# Altium PCB controller_V1.1.PcbDoc (part 5 of 6) (continued)
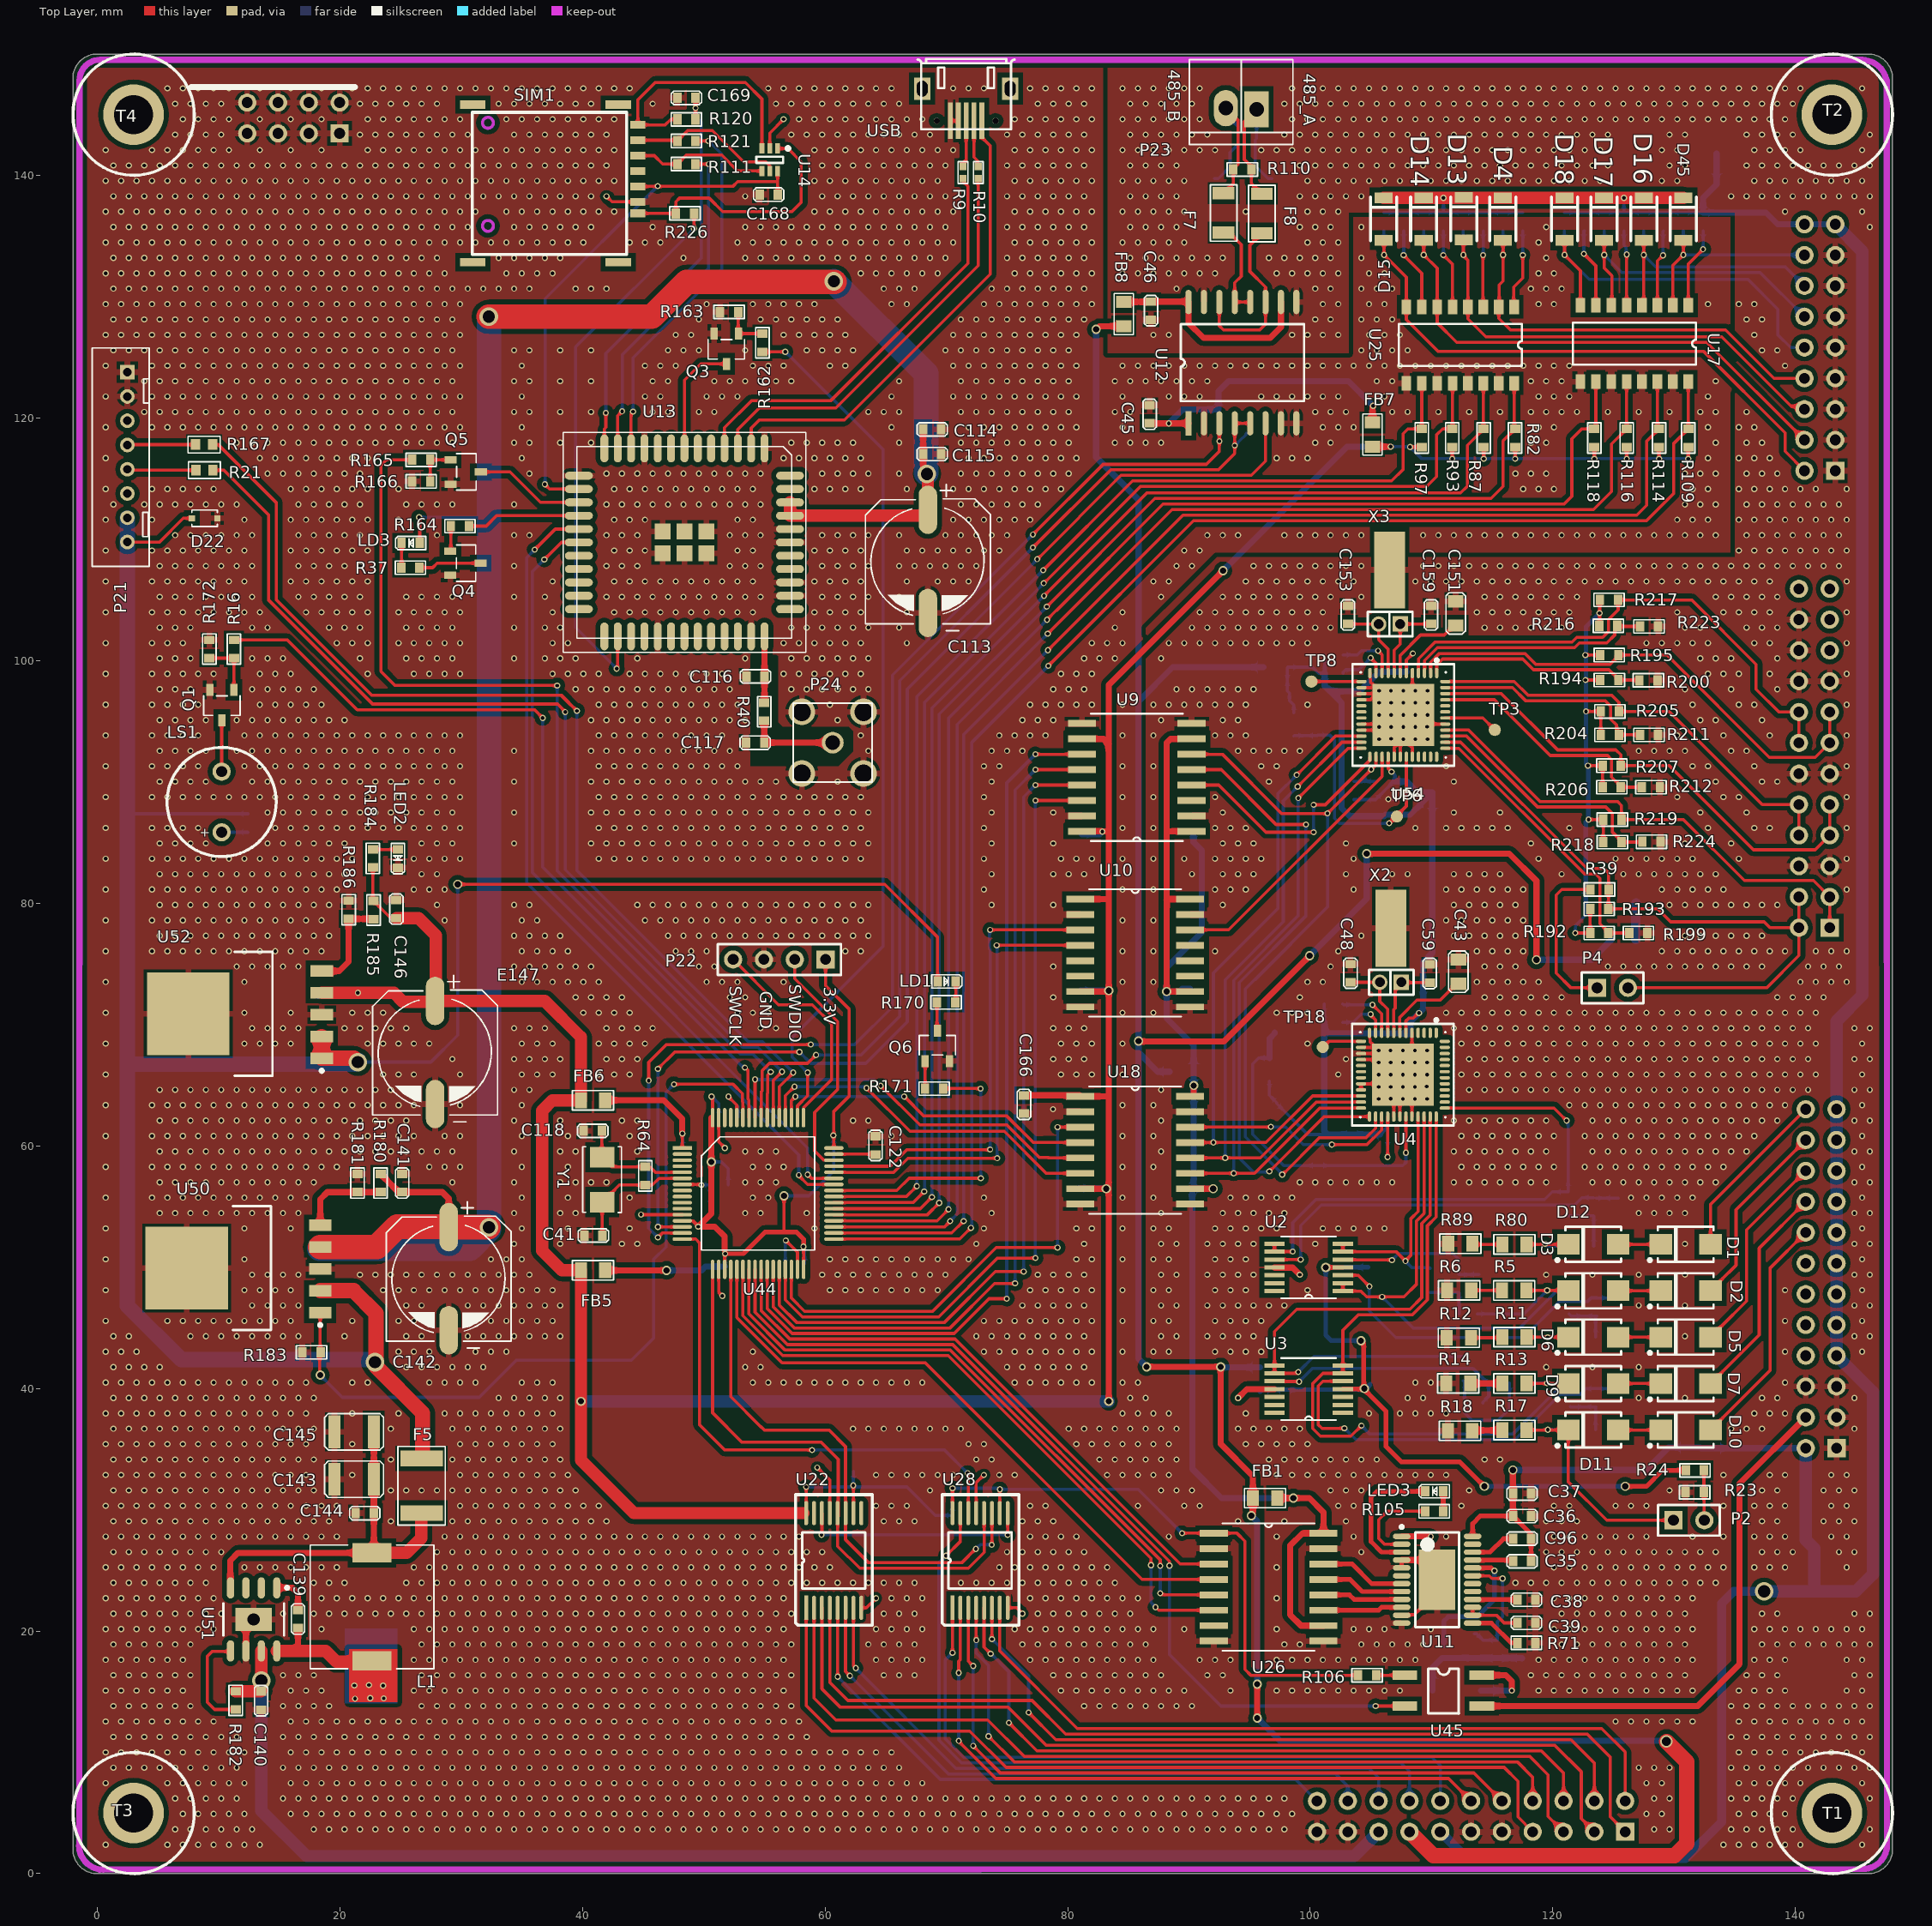
[diagram p0: Top Layer view]
## Nets (pads, with @x,y where several pads share a name; then routed paths per layer and width w, separated by ;. In a path a pad name is that pad's centre, name@x,y a point inside that pad or via, vN(x,y) a via of type N, cw(c..) or ccw(c..) an arc to the next point about the centre after c; other vN are vias at no path point) (continued)
  Top Layer w0.254: U44.51@57.232,62.317 57.232,63.734 v1(57.556,64.059) ; v1@66.534,64.072 68.148,62.459 74.346,62.459 74.981,62.459 77.165,60.274 77.953,60.274 U18.4@81.049,60.274
  Bottom Layer w0.254: v1(57.556,64.059) v1(66.521,64.059)
MIBSPI1MCS1: U18.3 U44.30 | length 38.7
  Top Layer w0.254: U44.30@57.232,49.817 57.232,47.453 58.325,46.36 68.864,46.36 74.117,51.613 v1(79.172,51.613) ; v1(79.172,61.544) U18.3@81.049,61.544
  Bottom Layer w0.254: v1(79.172,51.613) v1(79.172,61.544)
MIBSPI1MCS2: U10.3 U44.45 | length 39.1
  Top Layer w0.254: U44.45@60.732,58.317 65.378,58.317 66.726,59.665 v1@73.609,59.665 ; v1(73.609,77.8) U10.3@81.049,77.8
  Bottom Layer w0.254: v1@73.609,59.665 73.609,76.187 73.558,76.237 73.558,77.749 v1(73.609,77.8)
  other v1: 73.609,59.69
MIBSPI1MCS3: U10.4 U44.44 | length 38.4
  Top Layer w0.254: U44.44@60.732,57.817 65.666,57.817 66.827,58.979 v1(74.193,58.979) ; v1(74.143,76.53) U10.4@81.049,76.53
  Bottom Layer w0.254: v1(74.143,76.53) 74.193,76.479 v1(74.193,58.979)
MIBSPI1SIMO: U18.5 U44.57 | length 32.6
  Top Layer w0.254: U44.57@54.232,62.317 v1(54.232,65.481) ; v1(64.592,64.948) 67.818,61.722 74.436,61.722 74.981,61.722 77.673,59.03 78.41,59.03 ; 78.41,59.004 78.588,59.004 U18.5@81.049,59.004
  Bottom Layer w0.254: v1@54.232,65.456 64.084,65.456 v1(64.592,64.948)
MIBSPI1SOMI: U18.6 U44.52 | length 29.4
  Top Layer w0.254: U44.52@56.732,62.317 56.732,64.123 v1(57.48,64.872) ; v1(63.424,64.77) 67.005,61.189 74.778,61.189 78.232,57.734 78.918,57.734 U18.6@81.049,57.734
  Bottom Layer w0.254: v1(57.48,64.872) 63.322,64.872 v1(63.424,64.77)
MISO_AO_MCU: U26.6 U44.22 | length 54.8
  Top Layer w0.254: U44.22@53.232,49.817 53.232,45.992 56.522,42.702 70.152,42.702 86.868,25.986 v1(86.868,25.425) ; v1(87.249,21.971) 87.503,21.717 U26.6@92.046,21.717
  Bottom Layer w0.254: v1(86.868,25.425) 86.868,22.352 v1(87.249,21.971)
MOSI_AO_MCU: U26.5 U44.23 | length 53.2
  Top Layer w0.254: U44.23@53.732,49.817 53.732,46.139 56.711,43.159 70.342,43.159 87.63,25.871 v1(87.63,25.375) ; v1(87.63,23.114) 87.699,23.114 87.826,22.987 U26.5@92.046,22.987
  Bottom Layer w0.254: v1(87.63,23.114) v1(87.63,25.375)
MSR0: D12.2 R7.2 R80.2 | length 6
  Top Layer w0.254: R80.2@117.834,51.88 D12.2@121.277,51.88
  Bottom Layer w0.254: v1(119.355,51.918) 119.532,51.74 R7.2@121.868,51.74
MSR1: D3.2 R5.2 R29.2 | length 10
  Top Layer w0.254: R5.2@117.809,48.079 121.252,48.079 D3.2@121.277,48.054
  Bottom Layer w0.254: R29.2@113.768,46.152 117.603,46.152 v1(119.53,48.079)
MSR2: D6.2 R1.2 R11.2 | length 5.9
  Top Layer w0.254: R11.2@117.834,44.228 D6.2@121.277,44.228
  Bottom Layer w0.254: v1@119.556,44.228 v1(119.562,44.221) R1.2@122.022,44.221
MSR3: D9.2 R13.2 R44.2 | length 5.1
  Top Layer w0.254: R13.2@117.834,40.402 D9.2@121.277,40.402
  Bottom Layer w0.254: R44.2@117.934,40.437 v1(119.521,40.437) v1@119.556,40.402
MSR4: D11.2 P2.1 R3.2 R17.2 | length 20.2
  Top Layer w0.254: R17.2@117.834,36.576 D11.2@121.277,36.576 121.277,32.291 124.435,29.134 P2.1@129.946,29.134
  Bottom Layer w0.254: v1@119.556,36.576 v1(119.581,36.601) R3.2@122.02,36.601
MSTART: R19.2 R189.2 U4.26 U9.6 U54.26 | length 66.7
  Top Layer w0.254: U9.6@90.218,92.278 92.761,92.278 97.663,87.376 101.399,87.376 103.372,89.349 103.372,89.369 v1(105.025,91.023) 105.421,91.418 U54.26@105.421,92.071 ; v1@97.714,57.633 100.762,60.681 104.609,60.681 105.385,61.456 U4.26@105.385,62.412
  Bottom Layer w0.254: 95.428,73.711 94.64,72.923 94.64,60.731 97.739,57.633 v1@97.765,57.633 ; 95.441,73.698 101.422,79.68 v1(101.422,87.401) ; R189.2@103.607,90.036 104.496,90.036 ; v1(105.025,91.023) 104.496,90.493 104.496,90.036 ; R19.2@105.385,90.036 104.496,90.036
  other v1: 97.688,57.633
MSTART_MCU: U9.11 U44.26 | length 74.7
  Top Layer w0.254: U44.26@55.232,49.817 55.232,46.578 57.279,44.531 70.642,44.531 73.508,47.396 v1(74.981,47.396) ; v1(77.343,92.278) U9.11@81.176,92.278
  Bottom Layer w0.254: v1(74.981,47.396) 74.981,89.916 v1(77.343,92.278)
NetC3_1: C3.1 R1.1 R2.2 | length 4.2
  Bottom Layer w0.254: C3.1@121.336,46.152 121.519,45.968 R2.2@123.635,45.968 123.522,45.855 R1.1@123.522,44.221
NetC4_1: C4.1 R3.1 R4.2 | length 4
  Bottom Layer w0.254: C4.1@121.437,38.506 121.464,38.48 R4.2@123.556,38.48 123.52,38.444 R3.1@123.52,36.601
NetC5_1: C5.1 R7.1 R8.2 | length 4.6
  Bottom Layer w0.254: C5.1@121.26,54.204 121.285,54.229 R8.2@123.342,54.229 123.368,54.204 R7.1@123.368,51.74
NetC6_2: C6.2 R2.1 U2.3 | length 27.6
  Top Layer w0.254: U2.3@102.69,49.329 103.96,49.329 v1(104.877,48.412)
  Bottom Layer w0.254: 104.832,46.413 107.049,44.196 117.58,44.196 120.536,47.152 122.842,47.152 123.158,47.468 R2.1@123.635,47.468 123.647,47.456 125.528,47.456 C6.2@125.54,47.444 ; 104.851,46.413 104.851,48.387 v1(104.877,48.412)
NetC7_2: C7.2 R4.1 U3.5 | length 32.1
  Top Layer w0.254: U3.5@102.69,40.596 101.048,40.596 100.66,40.208 100.66,37.008 100.965,36.703 102.794,36.703 v1(102.819,36.728)
  Bottom Layer w0.254: v1(102.819,36.728) 103.772,35.776 116.871,35.776 120.601,39.506 122.237,39.506 122.711,39.98 R4.1@123.556,39.98 C7.2@125.08,39.98
NetC8_2: C8.2 R8.1 U2.10 | length 31.9
  Top Layer w0.254: U2.10@97.051,50.629 97.054,50.626 99.209,50.626 v1(99.212,50.622)
  Bottom Layer w0.254: v1(99.212,50.622) 99.212,53.416 100.914,55.118 121.791,55.118 122.402,55.729 R8.1@123.342,55.729 ; R8.1@123.573,55.69 C8.2@125.402,55.69
NetC13_1: C13.1 R29.1 R30.2 | length 4.1
  Bottom Layer w0.254: C13.1@109.88,47.904 109.882,47.903 R30.2@112.243,47.903 112.268,47.878 R29.1@112.268,46.152
NetC17_2: C17.2 R30.1 U2.5 | length 12.9
  Top Layer w0.254: U2.5@102.69,50.629 102.718,50.6 106.702,50.6 v1(106.731,50.571)
  Bottom Layer w0.254: v1(106.731,50.571) 107.285,51.126 111.762,51.126 112.243,50.645 R30.1@112.243,49.403 112.255,49.391 113.882,49.391 C17.2@113.894,49.379
NetC21_1: C21.1 R44.1 R45.2 | length 9.2
  Bottom Layer w0.254: C21.1@112.624,40.64 112.724,40.54 R45.2@112.724,38.786 112.724,37.98 113.328,37.376 115.463,37.376 116.434,38.346 R44.1@116.434,40.437
NetC25_2: C25.2 R45.1 U3.10 | length 20.5
  Top Layer w0.254: U3.10@97.051,40.596 97.073,40.574 99.058,40.574 v1(99.08,40.552)
  Bottom Layer w0.254: v1(99.08,40.552) 100.168,41.64 113.428,41.64 114.631,40.437 C25.2@114.706,40.437 114.706,39.343 114.224,38.861 R45.1@114.224,38.786
NetC35_1: C35.1 U11.21 | length 3.4
  Top Layer w0.381: U11.21@113.386,25.857 113.399,25.843 116.62,25.843 C35.1@116.708,25.756
NetC38_1: C38.1 U11.16 | length 3.7
  Top Layer w0.381: U11.16@113.386,22.607 113.399,22.594 117.052,22.594 C38.1@117.065,22.581
NetC39_1: C39.1 U11.14 U11.15 | length 4.6
  Top Layer w0.254: U11.15@113.386,21.957 U11.14@113.386,21.307 115.345,21.307 115.976,20.676 C39.1@117.065,20.676
NetC41_2: C41.2 R64.1 U44.6 Y1.2 | length 10.2
  Top Layer w0.254: C41.2@41.657,52.603 41.628,52.633 Y1.2@41.628,55.355 43.042,56.769 R64.1@45.184,56.769 45.771,56.769 46.319,57.317 U44.6@48.232,57.317
NetC43_1: C43.1 U4.7 | length 7.3
  Top Layer w0.254: U4.7@107.385,69.312 107.385,70.605 108.788,72.009 110.71,72.009 112.057,73.355 C43.1@112.207,73.355
NetC48_1: C48.1 U4.9 X2.1 | length 6.9
  Top Layer w0.254: C48.1@103.317,73.482 X2.1@105.73,73.482 105.73,71.918 106.385,71.263 U4.9@106.385,69.312
NetC59_1: C59.1 U4.8 X2.2 | length 6.8
  Top Layer w0.254: U4.8@106.885,69.312 106.885,71.234 107,71.349 107,72.974 X2.2@107.508,73.482 107.533,73.457 C59.1@109.855,73.457
NetC96_1: C96.1 U11.22 | length 3.8
  Top Layer w0.381: U11.22@113.386,26.507 114.822,26.507 115.934,27.618 C96.1@116.708,27.618
NetC116_1: C116.1 R40.1 U13.35 | length 5.5
  Top Layer w0.508: R40.1@54.991,96.534 55.012,96.556 U13.35@55.012,101.992
NetC117_1: C117.1 P24.1 R40.2 | length 7.4
  Top Layer w0.508: R40.2@54.991,95.034 54.991,93.235 C117.1@54.994,93.232 P24.1@60.632,93.232
NetC118_2: C118.2 R64.2 U44.5 Y1.1 | length 9.3
  Top Layer w0.254: C118.2@41.607,61.239 41.607,59.076 Y1.1@41.628,59.055 42.414,58.269 R64.2@45.184,58.269 45.566,58.269 46.018,57.817 U44.5@48.232,57.817
NetC119_2: C119.2 U44.31 | length 4.8
  Top Layer w0.254: v1(56.769,52.197) 57.732,51.234 U44.31@57.732,49.817
  Bottom Layer w0.254: C119.2@56.732,50.203 56.732,52.16 v1(56.769,52.197)
NetC120_2: C120.2 R168.1 U44.7 | length 4.2
  Top Layer w0.254: U44.7@48.232,56.817 v1@49.761,56.817
  Bottom Layer w0.254: v1@49.784,56.769 R168.1@50.518,56.769 50.518,54.867 C120.2@50.521,54.864
  other v1: 49.809,56.769
NetC122_2: C122.2 U44.47 | length 3.4
  Top Layer w0.254: U44.47@60.732,59.317 64.126,59.317 C122.2@64.16,59.282
NetC139_1: C139.1 D70.2 L1.1 U51.8 | length 10.6
  Top Layer w0.508: 16.075,18.361 16.558,18.844 C139.1@16.558,20.244 ; L1.1@22.25,17.602 L1.1@22.936,17.602
  Top Layer w1.016: U51.8@14.806,18.361 16.075,18.361 18.825,18.361 19.71,17.475 L1.1@22.25,17.475
  other v1: 21.26,14.427 23.622,14.453 22.504,14.478 23.571,15.494 21.209,15.519 22.403,15.545
NetC139_2: C139.2 U51.1 | length 3.3
  Top Layer w0.508: U51.1@14.783,23.571 16.078,23.571 16.558,23.091 C139.2@16.558,21.744
NetC143_1: C143.1 C144.1 C145.1 F5.1 L1.2 U51.4 | length 30
  Top Layer w0.508: U51.4@10.973,23.597 10.973,25.806 11.613,26.447 L1.2@22.66,26.447 ; L1.2@22.784,26.594 22.807,26.617 C143.1@22.807,32.518 ; C145.1@22.807,36.424 22.807,33.251 C143.1@22.911,33.147 ; F5.1@26.721,29.718 F5.1@26.772,29.718
  Top Layer w1.016: L1.2@22.66,26.447 25.507,26.447 26.721,27.661 F5.1@26.721,29.616
NetC151_1: C151.1 U54.7 | length 7
  Top Layer w0.254: U54.7@107.421,98.971 107.421,100.436 109.093,102.108 111.059,102.108 111.839,102.887 C151.1@111.989,102.887
NetC153_1: C153.1 U54.9 X3.1 | length 6.9
  Top Layer w0.254: C153.1@103.099,103.014 X3.1@105.639,103.014 105.639,101.727 106.421,100.945 U54.9@106.421,98.971
NetC159_1: C159.1 U54.8 X3.2 | length 6.8
  Top Layer w0.254: U54.8@106.921,98.971 106.921,100.85 107.417,101.346 X3.2@107.417,103.014 C159.1@109.957,103.014
NetD1_2: D1.2 D12.1 | length 3.5
  Top Layer w0.254: D12.1@125.377,51.88 D1.2@128.897,51.88
NetD2_2: D2.2 D3.1 | length 3.5
  Top Layer w0.254: D3.1@125.377,48.054 D2.2@128.897,48.054
NetD5_2: D5.2 D6.1 | length 3.5
  Top Layer w0.254: D6.1@125.377,44.228 D5.2@128.897,44.228
NetD7_2: D7.2 D9.1 | length 3.5
  Top Layer w0.254: D9.1@125.377,40.402 D7.2@128.897,40.402
NetD10_2: D10.2 D11.1 | length 3.5
  Top Layer w0.254: D11.1@125.377,36.576 D10.2@128.897,36.576
NetD72_1: D72.1 F2.2 | length 3.1
  Bottom Layer w0.762: F2.2@126.84,76.996 126.822,77.014 D72.1@126.822,79.985 D72.1@126.861,80.023
NetF7_1: F7.1 U12.12 U12.13 | length 8.1
  Top Layer w0.254: F7.1@92.86,135.28 93.32,135.28 94.31,134.29 94.31,131.674 93.774,131.138 U12.13@93.774,129.558 U12.12@95.044,129.558
NetF8_1: F8.1 U12.11 U12.14 | length 14.6
  Top Layer w0.254: U12.14@92.558,129.504 U12.14@92.504,129.558 92.504,127.587 92.837,127.254 95.834,127.254 96.314,127.734 U12.11@96.314,129.558 96.314,130.787 95.021,132.08 95.021,134.242 F8.1@96.009,135.23
NetLD1_2: LD1.2 R170.1 | length 1.8
  Top Layer w0.254: LD1.2@70.784,73.552 70.784,71.862 R170.1@70.866,71.78
NetLD3_2: LD3.2 R37.1 | length 2
  Top Layer w0.254: R37.1@25.07,107.66 25.094,107.684 LD3.2@25.094,109.692
NetLED2_1: LED2.1 R184.1 | length 2.1
  Top Layer w0.254: R184.1@22.708,84.404 22.733,84.43 LED2.1@24.79,84.43
NetLED3_1: LED3.1 R105.2 | length 1.7
  Top Layer w0.381: R105.2@110.969,29.87 LED3.1@110.969,31.521
NetLED3_2: LED3.2 U11.3 | length 11.2
  Top Layer w0.381: U11.3@107.536,26.507 105.878,26.507 105.004,27.381 105.004,31.013 105.512,31.521 LED3.2@109.469,31.521
NetLS1_1: LS1.1 R15.2 | length 2.2
  Bottom Layer w0.254: LS1.1@10.262,85.849 12.398,85.849 R15.2@12.421,85.827
NetLS1_2: LS1.2 Q1.3 | length 4.2
  Top Layer w0.254: LS1.2@10.262,90.849 10.262,95.071 Q1.3@10.278,95.087
NetP2_2: P2.2 R23.2 R24.1 | length 4.1
  Top Layer w0.254: R24.1@132.462,33.249 132.449,33.235 132.449,31.459 R23.2@132.436,31.445 132.461,31.42 132.461,29.159 P2.2@132.486,29.134
NetP4_1: P4.1 R39.2 | length 13.3
  Top Layer w0.254: R39.2@123.097,81.128 120.726,81.128 120.269,80.67 120.269,74.244 121.488,73.025 P4.1@123.647,73.025
NetP21_4: P21.4 R167.2 | length 5.6
  Top Layer w0.254: P21.4@2.489,117.772 2.523,117.805 R167.2@8.115,117.805
NetP21_5: P21.5 R21.2 | length 5.7
  Top Layer w0.254: P21.5@2.489,115.772 2.566,115.694 R21.2@8.141,115.694
NetQ1_1: Q1.1 R16.1 R172.1 | length 4.6
  Top Layer w0.254: R172.1@9.246,100.203 R16.1@11.278,100.203 Q1.1@11.278,97.587
NetQ3_1: Q3.1 R162.2 R163.2 | length 3.8
  Top Layer w0.254: R163.2@52.841,128.736 52.841,126.982 Q3.1@52.865,126.958 54.831,126.958 R162.2@54.839,126.951
NetQ3_3: Q3.3 U13.7 | length 9.6
  Top Layer w0.254: U13.7@48.412,117.492 48.412,123.114 49.757,124.458 Q3.3@51.865,124.458
NetQ4_1: Q4.1 R164.2 | length 2.1
  Top Layer w0.254: Q4.1@29.111,109.031 29.158,109.078 R164.2@29.158,111.089
NetQ4_3: Q4.3 R37.2 | length 5.2
  Top Layer w0.254: R37.2@26.57,107.66 27.65,107.66 28.021,108.031 Q4.3@31.611,108.031
NetQ5_1: Q5.1 R165.2 R166.2 | length 3.5
  Top Layer w0.254: R166.2@27.459,114.772 R165.2@27.459,116.55 Q5.1@29.134,116.55
NetQ5_3: Q5.3 U13.15 | length 9.1
  Top Layer w0.254: Q5.3@31.634,115.55 34.031,115.55 36.538,113.042 U13.15@39.712,113.042
NetQ6_1: Q6.1 R171.2 | length 2.3
  Top Layer w0.254: R171.2@68.248,64.719 68.259,64.729 Q6.1@68.259,66.988
NetQ6_3: Q6.3 R170.2 | length 2.4
  Top Layer w0.254: R170.2@69.232,71.825 69.232,69.452 Q6.3@69.24,69.444
NetR5_1: R5.1 R6.2 | length 2.5
  Top Layer w0.254: R6.2@113.276,48.09 115.798,48.09 R5.1@115.809,48.079
NetR9_1: R9.1 USB.3 | length 3.6
  Top Layer w0.254: R9.1@71.349,140.995 71.634,141.28 USB.3@71.634,144.492
NetR10_1: R10.1 USB.2 | length 3.9
  Top Layer w0.254: USB.2@72.284,144.492 72.284,141.508 72.568,141.224 R10.1@72.568,140.741
NetR11_1: R11.1 R12.2 | length 2.6
  Top Layer w0.254: R12.2@113.251,44.179 115.785,44.179 R11.1@115.834,44.228
NetR13_1: R13.1 R14.2 | length 2.6
  Top Layer w0.508: R14.2@113.2,40.419 113.209,40.411 115.825,40.411 R13.1@115.834,40.402
NetR17_1: R17.1 R18.2 | length 2.5
  Top Layer w0.508: R18.2@113.346,36.508 113.38,36.542 115.8,36.542 R17.1@115.834,36.576
NetR20_2: R20.2 U4.10 | length 5.1
  Top Layer w0.254: v1(105.131,71.628) 105.885,70.874 U4.10@105.885,69.312
  Bottom Layer w0.254: R20.2@102.658,71.704 102.734,71.628 v1(105.131,71.628)
NetR22_1: R22.1 U44.60 | length 4
  Top Layer w0.254: v1@52.019,64.059 52.732,63.346 U44.60@52.732,62.317
  Bottom Layer w0.254: v1@52.045,64.033 52.832,63.246 R22.1@52.832,62.357
  other v1: 52.045,64.059
NetR71_1: R71.1 U11.13 | length 4.4
  Top Layer w0.381: U11.13@113.386,20.657 114.933,20.657 116.565,19.025 R71.1@117.065,19.025
NetR73_2: R73.2 U4.11 | length 4.3
  Top Layer w0.254: v1(104.978,70.841) 104.978,70.772 105.385,70.365 U4.11@105.385,69.312
  Bottom Layer w0.254: R73.2@102.658,70.18 103.53,70.18 104.191,70.841 v1(104.978,70.841)
NetR75_2: R75.2 U54.11 | length 4.3
  Top Layer w0.254: v1(104.978,100.228) 104.978,100.22 105.421,99.777 U54.11@105.421,98.971
  Bottom Layer w0.254: R75.2@102.694,98.95 102.694,99.025 102.917,99.248 103.998,99.248 v1(104.978,100.228)
NetR80_1: R80.1 R89.2 | length 2.5
  Top Layer w0.254: R89.2@113.371,51.926 113.417,51.88 R80.1@115.834,51.88
NetR81_1: R81.1 U25.1 | length 6.6
  Top Layer w0.254: U25.1@116.812,129.159 116.764,129.207 116.764,130.785 117.515,131.536 v1(117.515,133.426)
  Bottom Layer w0.254: v1(117.515,133.426) 117.526,133.437 R81.1@117.526,135.431
NetR86_1: R86.1 U25.3 | length 6.3
  Top Layer w0.254: v1(114.242,133.426) 114.242,129.189 U25.3@114.272,129.159
  Bottom Layer w0.254: v1(114.242,133.426) 114.253,133.437 R86.1@114.253,135.431
NetR92_1: R92.1 U25.5 | length 6.6
  Top Layer w0.254: v1(110.969,133.426) 111.732,132.663 U25.5@111.732,129.159
  Bottom Layer w0.254: v1(110.969,133.426) 110.98,133.437 R92.1@110.98,135.431
NetR96_1: R96.1 U25.7 | length 6.9
  Top Layer w0.254: v1(107.696,133.426) 109.192,131.93 U25.7@109.192,129.159
  Bottom Layer w0.254: v1(107.696,133.426) 107.707,133.437 R96.1@107.707,135.431
NetR105_1: R105.1 U11.2 | length 7.8
  Top Layer w0.254: U11.2@107.536,27.157 106.117,27.157 105.639,27.635 105.639,29.185 106.324,29.87 R105.1@109.469,29.87
NetR106_1: R106.1 U45.1 | length 2.4
  Top Layer w0.254: R106.1@105.435,16.358 U45.1@107.794,16.358
NetR108_1: R108.1 U17.1 | length 6.7
  Top Layer w0.254: U17.1@131.163,129.286 131.163,132.687 v1(132.385,133.909)
  Bottom Layer w0.254: v1(132.385,133.909) R108.1@132.385,135.431
NetR111_1: R111.1 SIM1.2 U14.4 | length 11.4
  Top Layer w0.254: SIM1.2@44.574,141.624 45.93,141.624 46.626,140.928 R111.1@47.824,140.928 48.579,141.683 49.811,141.683 49.813,141.681 51.486,141.681 52.808,140.359 U14.4@54.796,140.359
NetR113_1: R113.1 U17.3 | length 6.4
  Top Layer w0.254: U17.3@128.623,129.286 128.623,132.941 v1(129.083,133.401)
  Bottom Layer w0.254: v1(129.083,133.401) 129.083,135.395 R113.1@129.119,135.431
NetR115_1: R115.1 U17.5 | length 6.2
  Top Layer w0.254: U17.5@126.083,129.286 v1(126.083,133.474) v1@126.086,133.477
  Bottom Layer w0.254: R115.1@125.853,135.431 125.853,134.243 126.034,134.062 126.034,133.523 v1(126.083,133.474)
NetR117_1: R117.1 U17.7 | length 6.6
  Top Layer w0.254: v1(122.555,133.528) 123.543,132.54 U17.7@123.543,129.286
  Bottom Layer w0.254: v1(122.555,133.528) 122.555,135.399 R117.1@122.588,135.431
NetR120_1: R120.1 SIM1.3 U14.3 | length 21
  Top Layer w0.254: R120.1@47.824,144.611 47.282,144.611 46.835,144.164 SIM1.3@44.574,144.164 44.574,146.225 45.999,147.65 53.442,147.65 54.796,146.296 U14.3@54.796,142.209
NetR121_1: R121.1 SIM1.7 U14.5 | length 12.9
  Top Layer w0.254: SIM1.7@44.574,142.894 47.763,142.894 R121.1@47.824,142.833 48.679,143.688 50.724,143.688 53.298,141.114 55.132,141.114 55.446,140.801 U14.5@55.446,140.359
NetR164_1: R164.1 U13.16 | length 9.4
  Top Layer w0.254: R164.1@30.658,111.089 32.069,111.089 32.923,111.942 U13.16@39.712,111.942
NetR180_2: R180.2 R181.2 U50.5 | length 7.3
  Top Layer w0.508: U50.5@18.387,53.453 18.387,55.598 18.974,56.185 R180.2@23.292,56.185
NetR182_1: R182.1 U51.5 | length 8.4
  Top Layer w0.254: U51.5@10.922,18.313 9.474,18.313 9.068,17.907 9.068,14.148 9.677,13.538 R182.1@11.422,13.538
NetR185_2: R185.2 R186.2 U52.5 | length 8
  Top Layer w0.508: U52.5@18.514,74.408 19.951,74.408 20.726,75.184 R186.2@20.726,78.664 ; R186.2@20.733,78.713 22.734,78.713 R185.2@22.758,78.689
NetR190_2: R190.2 U54.10 | length 5
  Top Layer w0.254: v1(105.588,100.813) 105.921,100.48 U54.10@105.921,98.971
  Bottom Layer w0.254: R190.2@102.694,100.474 103.878,100.474 104.216,100.813 v1(105.588,100.813)
NetTP3_1: TP3.1 U54.42 | length 4.5
  Top Layer w0.254: U54.42@111.121,95.271 114.228,95.271 TP3.1@115.214,94.285
NetTP8_1: TP8.1 U54.13 | length 4.2
  Top Layer w0.254: TP8.1@99.974,98.273 99.976,98.271 TP8.1@100.093,98.271 U54.13@104.221,98.271
NetTP18_1: TP18.1 U4.13 | length 3.4
  Top Layer w0.254: TP18.1@101.016,68.097 101.531,68.612 U4.13@104.185,68.612
NetU22_14: U22.14 U28.9 | length 18.9
  Top Layer w0.254: v1@59.743,27.887 U22.14@59.743,29.72 ; v1@75.058,27.939 U28.9@75.058,29.72
  Bottom Layer w0.254: v1(59.715,27.94) v1@75.032,27.94
  other v1: 75.057,27.915
PT100_A1: R192.1 R199.2 U54.37 | length 23.7
  Top Layer w0.254: U54.37@111.121,92.771 112.246,92.771 122.62,82.398 123.52,82.398 123.876,82.042 123.876,78.314 124.569,77.621 R192.1@124.569,77.546 R199.2@126.295,77.546
PT100_A2: R204.1 R211.2 U54.47 | length 18.6
  Top Layer w0.254: U54.47@111.121,97.771 116.669,97.771 117.743,96.698 124.304,96.698 124.612,96.389 124.612,96.368 124.765,96.215 124.765,95.174 125.254,94.684 125.254,94.075 R204.1@125.451,93.878 R211.2@127.176,93.878
PT100_A3: R216.1 R223.2 U54.3 | length 20.3
  Top Layer w0.254: U54.3@109.421,98.971 109.421,100.011 110.476,101.067 121.793,101.067 122.174,101.448 124.435,101.448 125.098,102.111 125.098,102.647 R216.1@125.321,102.87 125.372,102.819 R223.2@127.178,102.819
PT100_A4: R194.1 R200.2 U54.1 | length 18.4
  Top Layer w0.254: U54.1@110.421,98.971 110.421,99.651 110.898,100.128 117.513,100.128 118.396,99.245 124.631,99.245 125.401,98.475 R194.1@125.401,98.4 127.102,98.4 R200.2@127.127,98.374
PT100_A5: R206.1 R212.2 U54.45 | length 20.1
  Top Layer w0.254: U54.45@111.121,96.771 115.192,96.771 119.786,92.177 124.507,92.177 124.841,91.842 124.841,90.397 125.603,89.635 R206.1@125.603,89.56 R212.2@127.329,89.56
PT100_A6: R218.1 R224.2 U54.39 | length 20.8
  Top Layer w0.254: U54.39@111.121,93.771 112.897,93.771 118.733,87.935 124.354,87.935 124.917,87.372 124.917,85.851 125.654,85.114 R218.1@125.654,85.039 127.354,85.039 R224.2@127.38,85.065
PT100_B1: P4.2 P8.2 P8.4 R39.1 R193.1 U54.38 | length 57.3
  Top Layer w0.254: U54.38@111.121,93.271 112.392,93.271 122.809,82.855 124.231,82.855 124.597,82.489 R39.1@124.597,81.128 124.583,81.114 124.583,79.541 R193.1@124.569,79.527 128.651,79.527 129.718,78.461 137.414,78.461 137.897,77.978 P8.2@140.284,77.978 ; P4.2@126.187,73.025 137.617,73.025 140.284,75.692 P8.2@140.284,77.978 ; P8.4@140.284,80.518 P8.2@140.284,77.978
PT100_B2: P8.8 P8.10 R205.1 U54.48 | length 36.3
  Top Layer w0.254: U54.48@111.121,98.271 116.816,98.271 117.932,97.155 124.841,97.155 125.451,96.545 R205.1@125.451,95.809 129.591,95.809 137.262,88.138 P8.10@140.284,88.138 P8.8@140.284,85.598
PT100_B3: P8.14 P8.16 R217.1 U54.4 | length 43.2
  Top Layer w0.254: U54.4@108.921,98.971 108.921,100.158 110.287,101.524 121.59,101.524 121.971,101.905 124.104,101.905 124.587,102.387 124.587,103.378 125.378,104.169 R217.1@125.378,105.004 131.445,105.004 136.754,99.695 136.754,97.638 138.633,95.758 P8.16@140.284,95.758 P8.14@140.284,93.218
PT100_B4: P8.13 P8.15 R195.1 U54.2 | length 41.3
  Top Layer w0.254: U54.2@109.921,98.971 109.921,99.864 110.641,100.585 117.702,100.585 118.586,99.702 124.72,99.702 125.4,100.382 R195.1@125.4,100.457 129.413,100.457 137.846,92.024 141.63,92.024 P8.13@142.824,93.218 P8.15@142.824,95.758
PT100_B5: P8.7 P8.9 R207.1 U54.46 | length 40.6
  Top Layer w0.254: U54.46@111.121,97.271 115.758,97.271 120.396,92.634 125.197,92.634 125.603,92.227 R207.1@125.603,91.338 129.591,91.338 136.525,84.404 141.63,84.404 P8.7@142.824,85.598 P8.9@142.824,88.138
PT100_B6: P8.1 P8.3 R219.1 U54.40 | length 40.6
  Top Layer w0.254: U54.40@111.121,94.271 113.043,94.271 118.923,88.392 125.324,88.392 125.654,88.062 R219.1@125.654,86.893 130.759,86.893 135.788,81.864 141.478,81.864 P8.3@142.824,80.518 P8.1@142.824,77.978
RE_IO2: U44.3
relay_25: P8.19
relay_26: P8.21
SCLK: U4.22 U18.13 U54.22 | length 55.5
  Top Layer w0.254: U18.13@90.091,60.274 v1(92.012,60.274) 96.351,60.274 100.189,64.112 U4.22@104.185,64.112 ; v1(98.882,90.576) 102.077,93.771 U54.22@104.221,93.771
  Bottom Layer w0.254: v1(92.012,60.274) 92.012,74.241 97.322,79.551 97.322,89.017 v1(98.882,90.576)
SCLK_AO: U11.8 U26.13 | length 6.9
  Top Layer w0.381: U26.13@101.089,24.257 103.276,24.257 104.277,23.257 U11.8@107.536,23.257
SCLK_AO_MCU: U26.4 U44.21 | length 52.2
  Top Layer w0.254: U44.21@52.732,49.817 52.732,45.845 56.464,42.113 68.266,42.113 86.123,24.257 U26.4@92.046,24.257
SIM_CLK: C169.1 R120.2 U13.13 | length 33.5
  Top Layer w0.254: U13.13@41.812,117.492 41.812,119.101 41.935,119.224 v1(41.935,120.421) ; v1@41.812,120.349 v1@41.935,120.472 ; R120.2@49.324,144.611 49.327,144.614 v1(49.327,145.542) C169.1@49.327,146.389
  Bottom Layer w0.254: v1(41.935,120.421) 41.935,125.324 49.785,133.174 49.785,144.398 49.327,144.856 v1(49.327,145.542)
SIM_DATA: R121.2 U13.11 | length 29.9
  Top Layer w0.254: U13.11@44.012,117.492 44.012,120.339 v1@44.171,120.498 ; R121.2@49.324,142.833 v1(50.402,142.833)
  Bottom Layer w0.254: v1(44.171,120.523) 44.171,124.968 51.486,132.283 51.486,137.084 51.486,141.75 v1(50.402,142.833)
SIM_PRE: R226.1 SIM1.8 U14.1 | length 21.1
  Top Layer w0.254: SIM1.8@44.574,136.864 R226.1@47.701,136.864 47.701,137.82 48.006,138.125 50.444,138.125 51.562,137.008 57.277,137.008 58.039,137.77 58.039,141.122 56.953,142.209 U14.1@56.096,142.209
SIM_RST: R111.2 U13.12 | length 27.6
  Top Layer w0.254: U13.12@42.912,117.492 42.912,120.179 v1(43.282,120.548) ; R111.2@49.324,140.928 v1(50.41,140.928)
  Bottom Layer w0.254: v1(43.282,120.548) 43.282,125.197 50.41,132.325 v1(50.41,140.928)
SIOUT0: D8.2 U45.4 | length 6
  Top Layer w0.508: U45.4@114.119,16.358 116.129,16.358 116.611,15.875 v1(116.611,15.088)
  Bottom Layer w0.508: D8.2@114.08,15.088 v1(116.611,15.088) v1@116.637,15.113
SPEAKER: R16.2 U44.58 | length 68.2
  Top Layer w0.254: R16.2@11.278,101.703 15.67,101.703 21.438,95.936 36.068,95.936 v1(36.728,95.275) ; v1(53.391,66.446) 53.648,66.189 53.648,63.838 53.732,63.754 U44.58@53.732,62.317
  Bottom Layer w0.254: v1(36.728,95.275) 36.728,82.982 53.264,66.446 v1(53.391,66.446)
STATUS: R171.1 U44.41 | length 23
  Top Layer w0.254: U44.41@60.732,56.317 65.918,56.317 66.929,57.328 v1(72.847,57.328) ; R171.1@69.748,64.719 v1(72.822,64.719)
  Bottom Layer w0.254: v1(72.847,57.328) v1@72.847,64.745
SWCLK: P22.4 U44.49 | length 19
  Top Layer w0.254: P22.4@52.426,75.362 56.159,71.628 58.953,71.628 60.554,70.028 60.554,65.47 58.232,63.148 U44.49@58.232,62.317
SWDIO: P22.2 U44.46 | length 19.9
  Top Layer w0.254: P22.2@57.506,75.362 57.506,73.787 61.036,70.256 61.036,64.643 59.147,62.754 59.147,59.573 59.903,58.817 U44.46@60.732,58.817
VBAT: C113.1 C114.2 C115.2 C141.2 C142.1 D69.2 LD3.1 R180.1 U13.42 U13.43 U50.4 | length 186.1
  Top Layer w0.254: LD3.1@26.594,109.692 v1@26.594,111.76
  Top Layer w0.508: R180.1@23.365,57.685 24.865,56.185 C141.2@25.095,56.185 ; C141.2@25.143,56.185 28.448,56.185 28.981,55.651 C142.1@28.981,54.61 ; C114.2@68.084,119.059 C115.2@68.084,117.027 68.084,115.71 v4@68.224,115.57 ; v4@68.351,115.392 68.478,115.265 v4@68.478,115.113
  Top Layer w1.016: U13.42@57.112,111.942 67.899,111.942 C113.1@68.148,112.192 ; U13.43@57.112,113.042 57.112,112.382 57.226,112.268 ; v4@68.25,115.341 68.478,115.113 C113.1@68.478,112.429
  Top Layer w2.032: U50.4@18.387,51.653 23.053,51.653 24.74,53.34 C142.1@28.727,53.34 ; C142.1@28.981,53.297 v4@32.25,53.297 ; v4(32.283,128.346) 45.72,128.346 48.59,131.216 v4@60.782,131.216
  Bottom Layer w0.254: v1(26.543,111.811) 31.725,111.811
  Bottom Layer w2.032: D69.2@18.323,51.511 30.734,51.511 v4@32.309,53.086 ; v4(32.309,53.289) v4@32.309,128.245 ; v4(60.731,131.267) 68.326,123.673 v4@68.326,115.468
  other v4: 68.402,115.392
VBUS: U13.2 USB.1 | length 39.6
  Top Layer w0.254: U13.2@53.912,117.492 53.912,119.165 54.585,119.837 61.595,119.837 73.609,131.851 73.609,142.443 72.873,143.18 USB.1@72.873,144.501
VCC_5V: D22.2 F5.2 LD1.1 P21.7 P21.8 R15.1 U50.2 U52.1 U52.2 | length 212.2
  Top Layer w0.254: P21.8@2.489,109.772 5.139,109.772 7.1,111.732 D22.2@7.806,111.732 ; v3(29.718,81.559) 64.922,81.559 69.284,77.198 LD1.1@69.284,73.552
  Top Layer w1.27: U50.2@18.387,48.053 21.136,48.053 22.987,46.203 v4@22.987,42.164 ; U52.1@18.514,67.208 v4@21.184,67.208 ; U52.2@18.514,69.008 18.514,67.338 U52.1@18.542,67.31 ; v4@22.987,41.808 26.822,37.973 F5.2@26.822,34.442 ; F5.2@26.744,34.224 F5.2@26.772,34.224 ; F5.2@26.772,34.214 F5.2@26.772,34.224 ; F5.2@26.772,34.442 F5.2@26.772,34.224
  Bottom Layer w0.254: 2.438,87.097 2.489,87.147 2.715,87.373 R15.1@12.421,87.373 ; v4(21.488,66.904) 21.514,66.904 27.508,66.904 29.718,69.113 v3(29.718,81.559)
  Bottom Layer w1.27: 2.489,87.097 2.489,66.726 ; 2.489,87.147 P21.8@2.489,109.772 P21.7@2.489,111.772 ; v4@21.501,66.916 v4@21.514,66.904 ; v4@21.539,67.056 21.209,66.726 2.489,66.726 ; v4@22.885,42.367 6.934,42.367 2.489,46.812 2.489,66.726
  other v4: 22.911,42.164
VCC_5V_ISO: F2.1 FB1.1 FB2.1 FB3.1 FB4.1 FB8.2 P5.15 | length 267.4
  Top Layer w0.508: v3(82.347,127.305) 82.607,127.565 FB8.2@84.63,127.565 ; v3@85.843,68.605 92.888,68.605 v3(99.949,75.667) ; v3(86.512,41.783) v3(92.608,41.783) 92.608,35.433 95.275,32.766 FB1.1@95.275,30.963 95.275,29.642 v3(95.148,29.515) ; v3(95.631,12.827) v3(95.631,15.621) ; v3(104.648,84.074) 116.408,84.074 118.643,81.839 v3(118.643,75.336)
  Top Layer w1.27: P5.15@108.179,3.454 110.153,1.48 130.029,1.48 131.039,2.489 131.039,9.22 v6(129.362,10.897)
  Bottom Layer w0.508: v3(82.347,127.305) 82.347,116.764 85.843,113.268 85.843,96.638 ; v3(86.512,41.783) 85.843,42.452 85.843,67.7 ; FB3.1@88.392,66.116 87.427,66.116 85.843,67.7 ; v3(92.608,41.783) 92.659,41.732 FB4.1@95.86,41.732 ; v3(95.148,29.515) 95.631,29.032 v3(95.631,15.621) ; v3(95.631,12.827) 97.511,10.947 129.311,10.947 v6(129.362,10.897) ; FB2.1@96.15,99.458 88.663,99.458 85.843,96.638 ; v3(99.949,75.667) 104.648,80.366 v3(104.648,84.074) ; v3(118.643,75.336) 123.181,75.336 F2.1@124.84,76.996 ; 85.843,67.7 v3(85.843,68.631) 85.843,96.638
VEXT: R226.2 U13.24 | length 45.7
  Top Layer w0.254: v1(42.824,99.339) 42.912,99.427 U13.24@42.912,101.992 ; v1(49.201,135.609) R226.2@49.201,136.864
  Bottom Layer w0.254: v1(42.824,99.339) 39.446,102.718 39.446,125.854 v1(49.201,135.609)